# Altium PCB Sistema_electrolitic.PcbDoc
Units mm, origin at the board's own origin, x right, y up, seen from the top; angles counter-clockwise.
Board outline 96.77 x 60.96 mm, 2 copper layers (Top Layer, Bottom Layer); 86 components, 66 nets, 428 pads, 84 vias.
Unrouted connection lines stored in the file: 8.
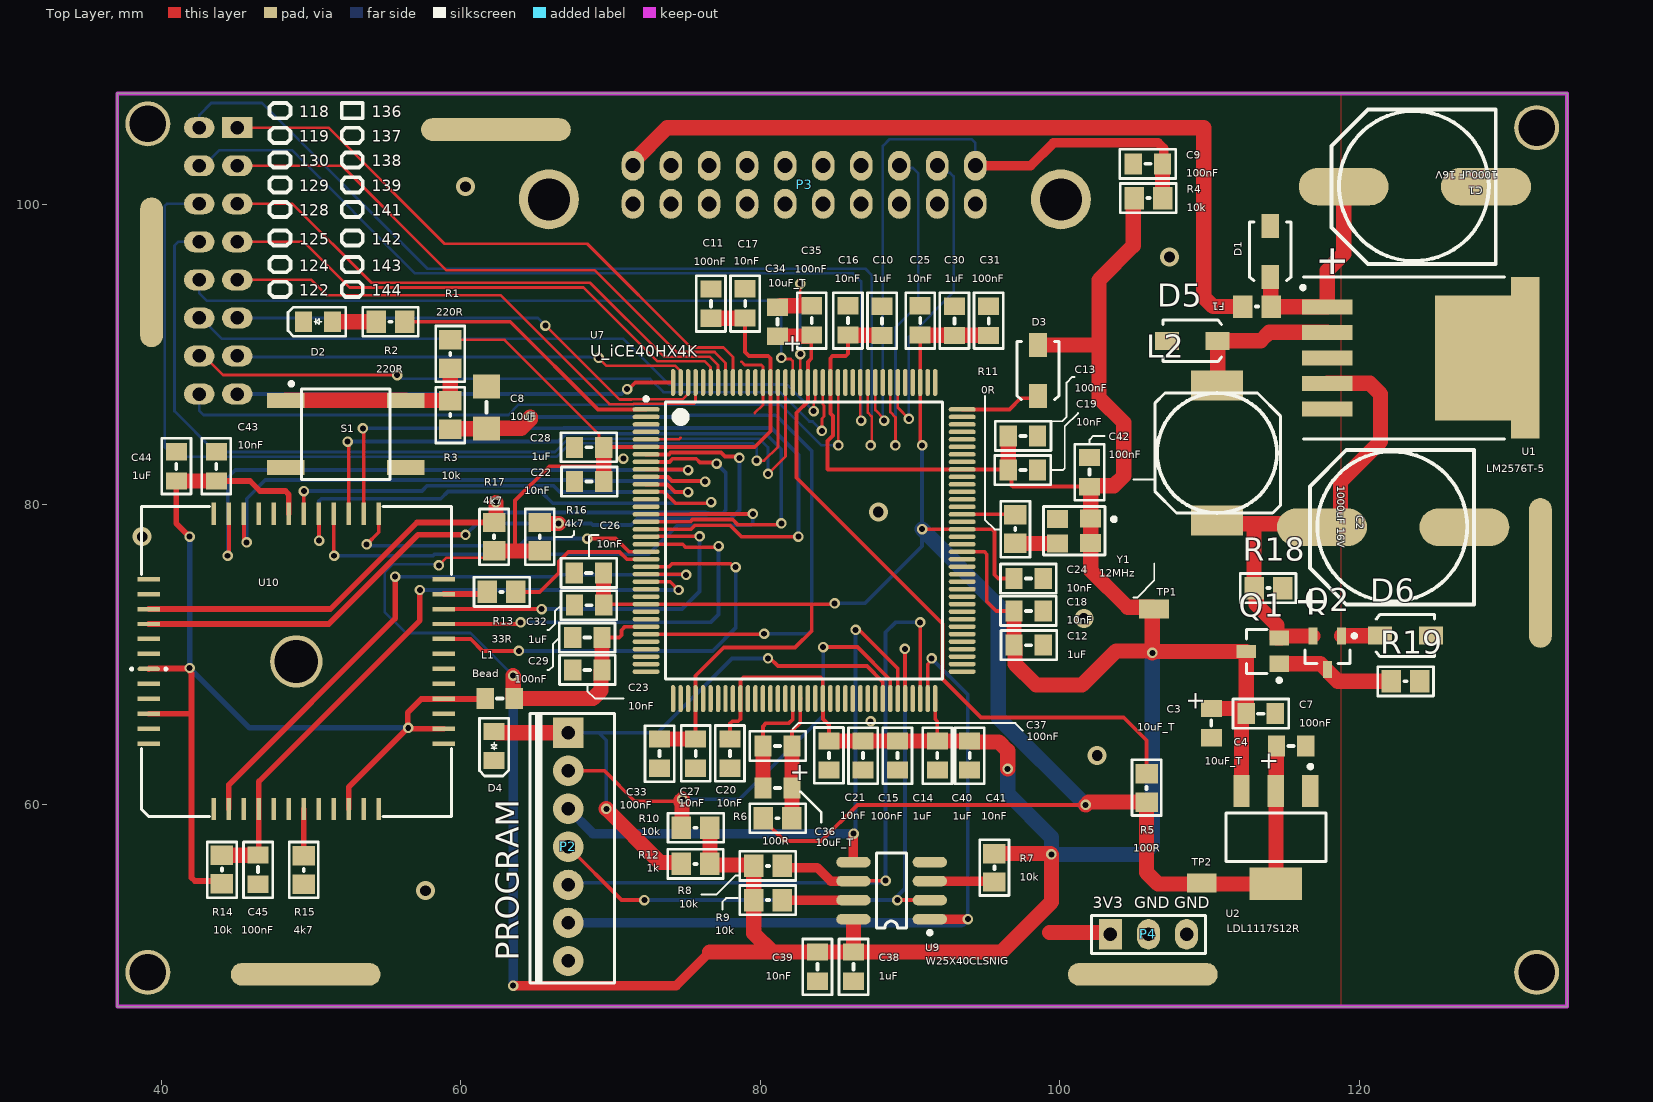
[diagram p0: Top Layer view]
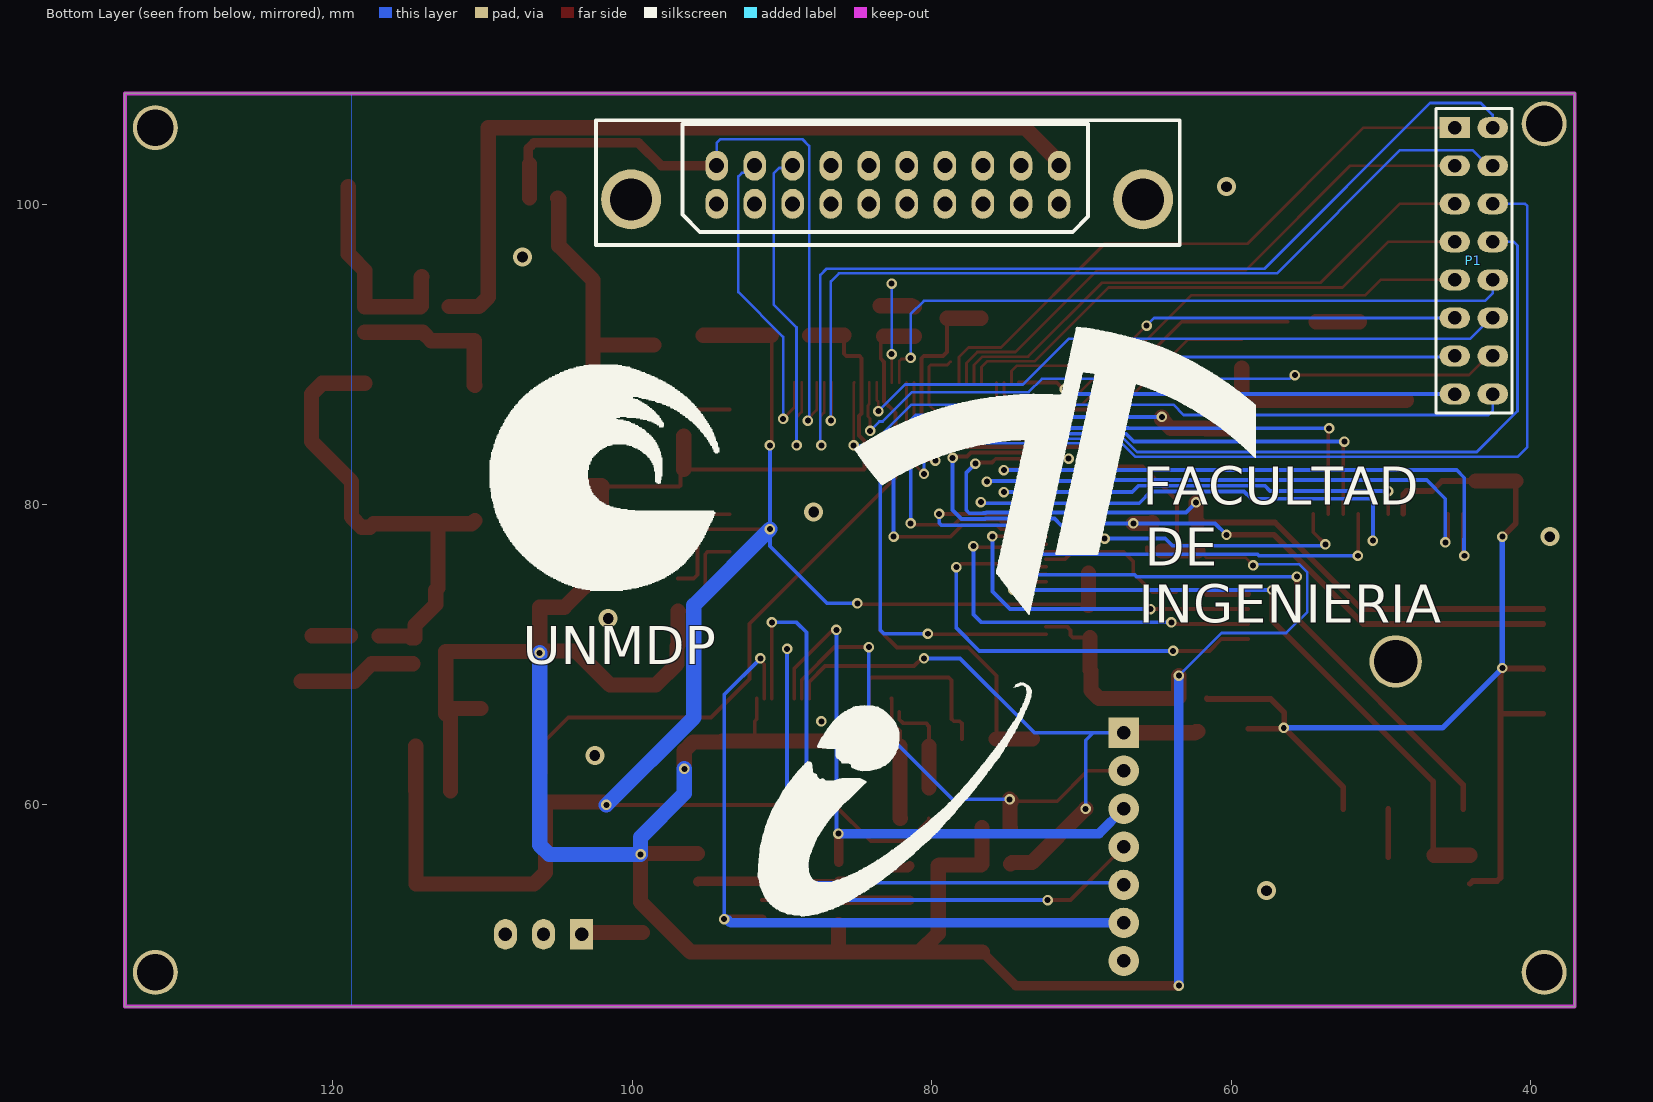
[diagram p1: Bottom Layer view, seen from below]
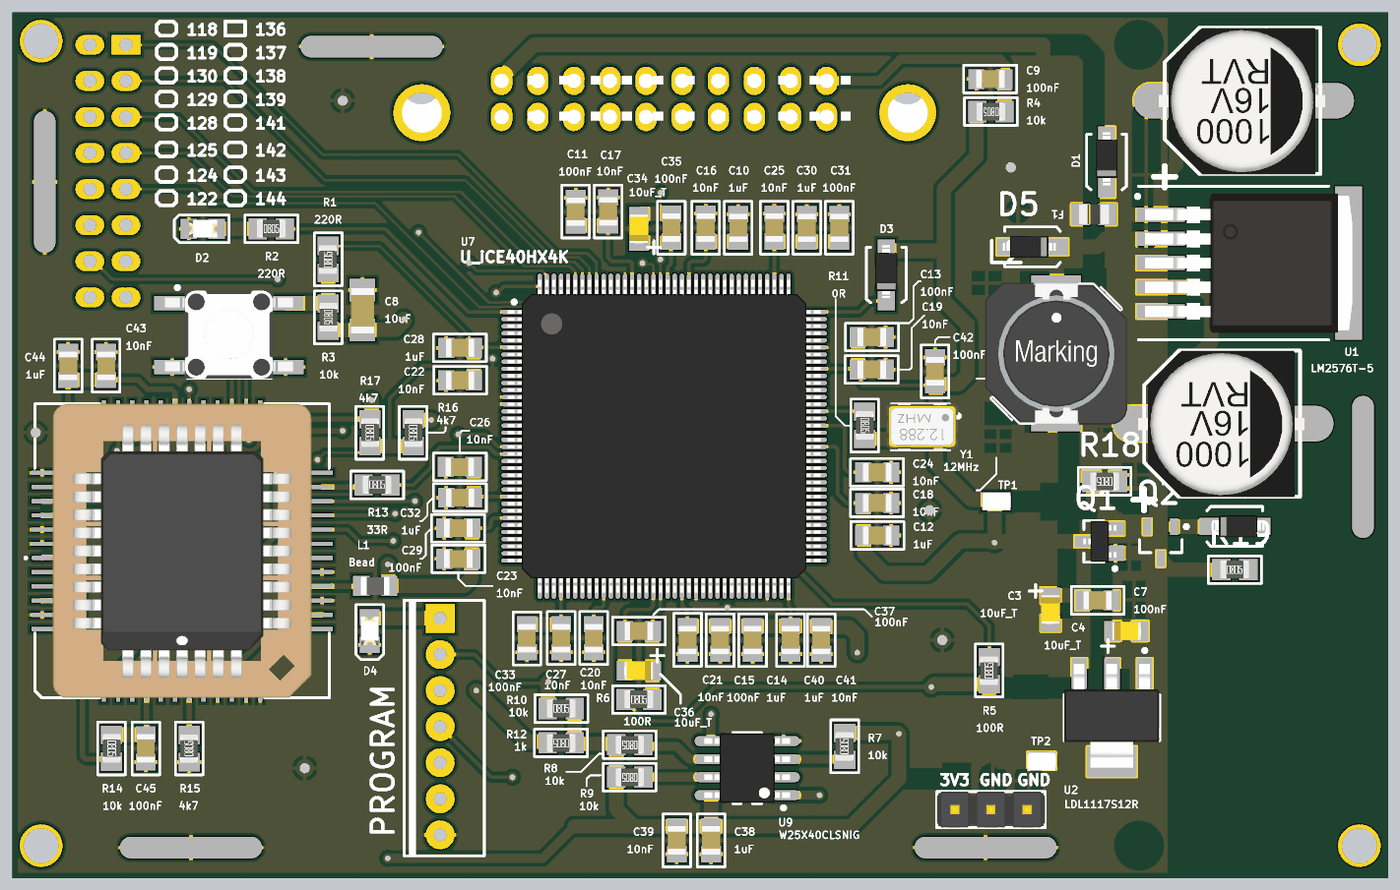
[diagram p2: 3D render of the assembled board from above, using the file's embedded part models]

## Layer stack, top to bottom
Top Solder: solder mask 0.0102, Solder Resist, Dk 3.5
Top Layer: signal copper 0.0356
Dielectric 1: dielectric 0.32, FR-4, Dk 4.8
Bottom Layer: signal copper 0.0356
Bottom Solder: solder mask 0.0102, Solder Resist, Dk 3.5

## Board outline
37.084,46.482 37.084,107.442 133.858,107.442 133.858,46.482

## Design rules (kind name [scope] priority, off if disabled: settings)
Clearance [All] p1: gap=0.254 ignorepadtopadclearanceinfootprint=FALSE except(0: Arc-Hole Track-Hole SMDPad-Hole THPad-Hole Via-Hole Fill-Hole Poly-Hole Region-Hole Text-Hole; 0.127: Arc-Arc Arc-Track Arc-SMDPad Arc-Text Track-Track Track-SMDPad Track-Text SMDPad-SMDPad SMDPad-Text THPad-Text Via-Text Fill-Text Poly-Text Region-Text Text-Text)
PlaneConnect [All] p1: planeconnectstyle=Relief reliefexpansion=0.254 reliefentries=4 reliefconductorwidth=0.178 reliefairgap=0.127
PolygonConnect [All] p1: connectstyle=Relief reliefconductorwidth=0.254 reliefentries=4 polygonreliefangle="90 Angle" airgapwidth=0.254
RoutingVias [All] p1: holewidth=0.4 width=0.7 viastyle="Through Hole" minholewidth=0.2 minwidth=0.6 maxholewidth=5 maxwidth=6
SilkToSolderMaskClearance [IsPad] p1: minsilkscreentomaskgap=0.127 clearancetoexposedcopper=TRUE
SolderMaskExpansion [All] p1: expansion=0.102 istentingtop=FALSE
Width [All] p1: maxlimit=1.016 minlimit=0.178 preferedwidth=0.254 minimp=50.000000 maximp=50.000000 favimp=50.000000
28 further rules are at their usual default settings.

## Classes and differential pairs
component class Sistema: P3
component class "Radiaton Sensor": C43 C44 C45 L1 R13 R14 R15 R16 R17 U10
component class Power: C1 C2 C3 C4 C7 D1 D5 D6 F1 L2 P4 Q1 Q2 R18 R19 TP1 TP2 U1 U2
component class "Periferic Supply": C10 C11 C12 C13 C14 C15 C16 C17 C18 C19 C20 C21 C22 C23 C24 C25 C26 C27 C28 C29 C30 C31 C32 C33 C34 C35 C36 C37 C38 C39 C40 C41 C42 D3 D4 P2 R5 R6 R7 R8 R9 R10 R11 R12 U7 U9 Y1
component class "FPGA Banks": C8 C9 D2 P1 R1 R2 R3 R4 S1

## Components (designator, comment, footprint, x,y, rotation, side; value= is the part's Value field where it differs from the comment)
C1 "1000uF 16V" C_SMD_F12 123.698,101.219 r0 top
C2 "1000uF 16V" C_SMD_F12 122.25,78.486 r0 top
C3 "10uF_T" C_0805_2013_c 110.109,65.405 r270 top
C4 "10uF_T" C_0805_2013_c 115.443,63.881 r0 top
C7 "100nF" C_0805_2013_b 113.411,66.04 r180 top
C8 "10uF" C_1206_3216_A 61.722,86.487 r270 top
C9 "100nF" C_0805_2013_b 105.877,102.743 r0 top
C10 "1uF" C_0805_2013_b 88.138,92.263 r270 top
C11 "100nF" C_0805_2013_b 76.708,93.406 r270 top
C12 "1uF" C_0805_2013_b 97.917,70.612 r180 top
C13 "100nF" C_0805_2013_b 97.536,84.582 r180 top
C14 "1uF" C_0805_2013_b 89.154,63.246 r90 top
C15 "100nF" C_0805_2013_b 86.868,63.246 r90 top
C16 "10nF" C_0805_2013_b 85.852,92.288 r90 top
C17 "10nF" C_0805_2013_b 78.994,93.431 r90 top
C18 "10nF" C_0805_2013_b 97.917,72.898 r0 top
C19 "10nF" C_0805_2013_b 97.536,82.296 r0 top
C20 "10nF" C_0805_2013_b 77.978,63.373 r270 top
C21 "10nF" C_0805_2013_b 84.582,63.246 r270 top
C22 "10nF" C_0805_2013_b 68.58,81.534 r180 top
C23 "10nF" C_0805_2013_b 68.453,68.961 r180 top
C24 "10nF" C_0805_2013_b 97.917,75.057 r0 top
C25 "10nF" C_0805_2013_b 90.678,92.288 r90 top
C26 "10nF" C_0805_2013_b 68.555,75.438 r180 top
C27 "10nF" C_0805_2013_b 75.692,63.373 r270 top
C28 "1uF" C_0805_2013_b 68.58,83.82 r0 top
C29 "100nF" C_0805_2013_b 68.453,71.12 r0 top
C30 "1uF" C_0805_2013_b 92.964,92.263 r270 top
C31 "100nF" C_0805_2013_b 95.25,92.263 r270 top
C32 "1uF" C_0805_2013_b 68.58,73.279 r0 top
C33 "100nF" C_0805_2013_b 73.279,63.373 r90 top
C34 "10uF_T" C_0805_2013_c 81.153,92.202 r90 top
C35 "100nF" C_0805_2013_b 83.439,92.288 r90 top
C36 "10uF_T" C_0805_2013_c 81.153,61.087 r180 top
C37 "100nF" C_0805_2013_b 81.153,63.881 r180 top
C38 "1uF" C_0805_2013_b 86.233,49.149 r90 top
C39 "10nF" C_0805_2013_b 83.82,49.149 r90 top
C40 "1uF" C_0805_2013_b 91.821,63.246 r90 top
C41 "10nF" C_0805_2013_b 93.98,63.246 r90 top
C42 "100nF" C_0805_2013_b 101.981,82.169 r90 top
C43 "10nF" C_0805_2013_b 43.688,82.55 r270 top
C44 "1uF" C_0805_2013_b 41.021,82.55 r270 top
C45 "100nF" C_0805_2013_b 46.482,55.626 r90 top
D1 "MMSZ5231C-HE3_A-08" D_SOD-123 114.046,96.901 r270 top
D2 "GREEN" D_LED_0805_2013 50.48,92.202 r180 top
D3 "SD0805S020S0R5" D_SOD-123 98.552,88.949 r270 top
D4 "GREEN" D_LED_0805_2013 62.23,63.881 r270 top
D5 "SD0805S020S0R5" D_SOD-123 108.839,90.932 r0 top
D6 "5V1" D_SOD-123 123.063,71.247 r180 top
F1 "0" F_0805_2012 113.157,93.218 r0 top
L1 "Bead" L_0805_2013 62.611,67.056 r180 top
L2 "680uHr" L_SMD_10x10 110.49,83.439 r270 top value=0
P1 "Header 8x2" P_HDR2X8_3D 43.815,96.266 r270 bottom
P2 "PROGRAM" P_CON1X7 67.183,55.88 r270 top value="BORNERA 6 ENCH"
P3 "Header 20_H" P_DIN41612-20-H 82.978,101.346 r180 top
P4 "Header 3" P_HDR1X3_3D 105.918,51.308 r0 top
Q1 "SQ2389CES-T1_GE3" Q_SOT-23 113.538,70.231 r180 top
Q2 "BC856ALT1G" Q_SOT-23B_N 117.856,70.104 r270 top
R1 "220R" R_0805_2012_a 59.309,90.043 r90 top
R2 "220R" R_0805_2012_a 55.306,92.202 r0 top
R3 "10k" R_0805_2012_a 59.309,85.979 r270 top
R4 "10k" R_0805_2012_a 105.918,100.457 r180 top
R5 "100R" R_0805_2012_a 105.791,61.087 r90 top
R6 "100R" R_0805_2012_a 81.153,59.055 r0 top
R7 "10k" R_0805_2012_a 95.631,55.753 r90 top
R8 "10k" R_0805_2012_a 80.518,53.594 r180 top
R9 "10k" R_0805_2012_a 80.518,55.88 r180 top
R10 "10k" R_0805_2012_a 75.692,58.42 r0 top
R11 "0R" R_0805_2012_a 97.028,78.359 r270 top
R12 "1k" R_0805_2012_a 75.692,56.007 r180 top
R13 "33R" R_0805_2012_a 62.738,74.168 r0 top
R14 "10k" R_0805_2012_a 44.069,55.626 r270 top
R15 "4k7" R_0805_2012_a 49.53,55.601 r90 top
R16 "4k7" R_0805_2012_a 65.278,77.851 r270 top
R17 "4k7" R_0805_2012_a 62.23,77.851 r270 top
R18 "10k" R_0805_2012_a 113.919,74.422 r180 top
R19 "2k2" R_0805_2012_a 123.063,68.199 r0 top
S1 "Switch" S_SMD_SPST-NO 52.324,84.709 r0 top
TP1 "SMD Test Point" "TP SMD" 106.299,73.025 r0 top
TP2 "SMD Test Point" "TP SMD" 109.474,54.737 r0 top
U1 "LM2576T-5" U_SMD_TO-263-5 128.549,89.764 r270 top
U2 "LDL1117S12R" U_SOT-223 114.427,57.785 r270 top value=LDL1117S25R
U7 "U_iCE40HX4K" U_TQFP-144 82.931,77.597 r0 top
U9 "W25X40CLSNIG" U_SOIC-8_2 88.773,54.229 r180 top
U10 "Value" U_CLCC48_SOCKET 39.18,69.025 r90 top
Y1 "12MHz" Y_SMD-XTAL-12MHZ 101.092,78.232 r270 top

## Footprints (in the part's own frame and the unit in brackets; to place one, negate y for a bottom-side part, rotate by r counter-clockwise, add the part's x,y. Pads: shape width x height; smd on the part's side, far side on the other; paste and mask are expansions set on the pad)
C_0805_2013_b [mm] "Chip Capacitor; Body 2.0 x 1.3 mm (LxW typ)"
  rect 1.15x1.4 smd: 1(-0.975,0) 2(0.975,0)
  silkscreen extent -1.88,-0.97 1.85,0.97, body extent -1,-0.64 1,0.64, height 1.24
C_0805_2013_c [mm] "Chip Capacitor; Body 2.0 x 1.3 mm (LxW typ)"
  rect 1.15x1.4 smd: 1(-0.975,0) 2(0.975,0)
  silkscreen extent -0.18,0 0.18,0, body extent -1.02,-0.65 1.03,0.65, height 1.2
C_1206_3216_A [mm]
  rect 1.6x1.8 smd: 1(-1.4,0) 2(1.4,0)
  silkscreen extent -0.36,0 0.36,0, body extent -1.55,-0.81 1.65,0.81, height 1.61
C_SMD_F12 [mm] "10X11mm SMD"
  oval 6x2.5 smd: 1(-4.75,0) 2(4.75,0)
  silkscreen extent -5.56,-5.15 5.4,5.15, body extent -5.98,-5.18 5.73,5.13, height 10.72
D_LED_0805_2013 [mm] "Chip Capacitor; Body 2.0 x 1.3 mm (LxW typ)"
  rect 1.15x1.4 smd: 1(0.975,0) 2(-0.975,0)
  silkscreen extent -1.85,-0.97 2,0.97, body extent -1.02,-0.62 0.97,0.63, height 1.3
D_SOD-123 [mm] "SOD-123; 2 Leads; Body 2.7 x 1.6 mm, (LxW)"
  rect 1.6x1.2 smd: 1(1.7,0) 2(-1.7,0)
  silkscreen extent -1.95,-1.4 1.95,1.4, body extent -2.09,-0.78 1.63,0.77, height 1.35
F_0805_2012 [mm] "Chip Fuse; Body 2.0 x 1.3 mm (LxW typ)"
  rect 1.3x1.5 smd: 1(-0.95,0) 2(0.95,0)
  silkscreen extent -0.08,0 0.08,0, body extent -1.05,-0.7 1.05,0.7, height 0.56
L_0805_2013 [mm] "Chip Inductor; Body 2.0 x 1.3 mm (LxW typ)"
  rect 1.15x1.4 smd: 1(-0.975,0) 2(0.975,0)
  silkscreen extent -0.18,0 0.18,0, body extent -1,-0.64 1,0.64, height 1.04
L_SMD_10x10 [mm]
  rect 2x3.5 smd: 1(-4.5,0) 2(4.5,0)
  silkscreen extent -4,-4.15 4,4.26, body extent -4.97,-4.97 5.03,5.03, height 4.8
P_CON1X7 [mil]
  rect 80x80 hole 35.43: 1(-350,0)
  round 80 hole 35.43: 2(-250,0) 3(-150,0) 4(-50,0) 5(50,0) 6(150,0) 7(250,0)
  silkscreen extent -400,-100 308,122
P_DIN41612-20-H [mm] "20 Position Din Connector Plug, Female Pins Gold Through Hole"
  oval 1.5x2 hole 1: A1(11.477,-1.27) A2(8.937,-1.27) A3(6.397,-1.27) A4(3.857,-1.27) A5(1.317,-1.27) A6(-1.223,-1.27) A7(-3.763,-1.27) A8(-6.303,-1.27) A9(-8.843,-1.27) A10(-11.383,-1.27) B1(11.477,1.27) B2(8.937,1.27) B3(6.397,1.27) B4(3.857,1.27) B5(1.317,1.27) B6(-1.223,1.27) B7(-3.763,1.27) B8(-6.303,1.27) B9(-8.843,1.27) B10(-11.383,1.27)
  round 4 hole 2.8: SOP(-17.087,0.97) SOP(17.088,0.97)
  body extent -19.41,-4.11 19.49,3.99, height 3.5
P_HDR1X3_3D [mil]
  rect 60x80 hole 35.43: 1(-100,0)
  oval 60x80 hole 35.43: 2(0,0) 3(100,0)
  silkscreen extent -150,-50 150,50, body extent -150,-50 150,50, height 374
P_HDR2X8_3D [mil] "Connector; Header; 8x2 Position"
  rect 55x80 hole 35.43: 1(-350,-50)
  oval 55x80 hole 35.43: 2(-350,50) 3(-250,-50) 4(-250,50) 5(-150,-50) 6(-150,50) 7(-50,-50) 8(-50,50) 9(50,-50) 10(50,50) 11(150,-50) 12(150,50) 13(250,-50) 14(250,50) 15(350,-50) 16(350,50)
  silkscreen extent -400,-100 400,100
Q_SOT-23 [mm]
  rect 1.3x1.1 smd: 1(-1.1,0.863)
  rect 1.3x1 smd: 2(-1.1,-0.863)
  rect 1.3x0.85 smd: 3(1.1,0.038)
  silkscreen extent -1.22,-1.44 1.09,2.09, body extent -1.19,-1.41 1.13,1.49, height 1.5
Q_SOT-23B_N [mm] "SOT23, 3-Leads, Body 2.9x1.3mm, Pitch 0.95mm, Lead Span 2.4mm, IPC Medium Density"
  rect 1.15x0.6 smd: 1(-1.125,0.95) 2(-1.125,-0.95) 3(1.125,0)
  silkscreen extent -1.25,-1.5 0.7,1.93, body extent -0.7,-1.5 0.7,1.5, height 1.14
R_0805_2012_a [mm] "Chip Resistor; Body 2.0 x 1.3 mm (LxW typ)"
  rect 1.3x1.5 smd: 1(-0.95,0) 2(0.95,0)
  silkscreen extent -1.85,-0.97 1.88,0.97, body extent -1,-0.61 1,0.64, height 0.6
S_SMD_SPST-NO [mm] "Pulsador SMD"
  rect 2.5x1 smd: 1(-4,2.25) 1(4,2.25) 2(-4,-2.25) 2(4,-2.25)
  silkscreen extent -3.75,-3.02 2.98,3.47, body extent -4.5,-3.05 4.5,3.15, height 4.3
"TP SMD" [mm] "Test Point SMD"
  rect 2x1.25 smd: 1(0,0)
  body extent -0.99,-0.67 1.01,0.58, height 0.84
U_CLCC48_SOCKET [mm]
  oval 0.3x1.5 smd: 1(0,0)
  rect 0.3x1.5 smd: 2(-1,0) 3(-2,0) 4(-3,0) 5(-4,0) 6(-5,0) 19(-5,-19.7) 20(-4,-19.7) 21(-3,-19.7) 22(-2,-19.7) 23(-1,-19.7) 24(0,-19.7) 25(1,-19.7) 26(2,-19.7) 27(3,-19.7) 28(4,-19.7) 29(5,-19.7) 30(6,-19.7) 43(6,0) 44(5,0) 45(4,0) 46(3,0) 47(2,0) 48(1,0)
  rect 1.5x0.3 smd: 7(-9.35,-4.35) 8(-9.35,-5.35) 9(-9.35,-6.35) 10(-9.35,-7.35) 11(-9.35,-8.35) 12(-9.35,-9.35) 13(-9.35,-10.35) 14(-9.35,-11.35) 15(-9.35,-12.35) 16(-9.35,-13.35) 17(-9.35,-14.35) 18(-9.35,-15.35) 31(10.35,-15.35) 32(10.35,-14.35) 33(10.35,-13.35) 34(10.35,-12.35) 35(10.35,-11.35) 36(10.35,-10.35) 37(10.35,-9.35) 38(10.35,-8.35) 39(10.35,-7.35) 40(10.35,-6.35) 41(10.35,-5.35) 42(10.35,-4.35)
  round 3.5 hole 2.9: 14(0.498,-9.854)
  silkscreen extent -9.85,-20.2 10.85,1.18, body extent -9.85,-18.95 10.85,-0.75, height 5
U_SMD_TO-263-5 [mm]
  rect 1x3.4 smd: 1(-3.433,-10.697) 2(-1.731,-10.697) 3(-0.029,-10.697) 4(1.673,-10.697) 5(3.374,-10.697)
  rect 10.795x1.905 smd: 6(-0.025,2.515)
  rect 8.331x6.985 smd: 6(-0.025,-0.025)
  silkscreen extent -5.44,-12.44 5.38,1.12, body extent -4.94,-11.81 4.89,2.79, height 4.22
U_SOIC-8_2 [mm] "SOIC, 8-Leads, Body 4.9x3.9mm, Pitch 1.27mm, IPC Low Density"
  oval 2.3x0.7 smd: 1(-2.55,1.905) 2(-2.55,0.635) 3(-2.55,-0.635) 4(-2.55,-1.905) 5(2.55,-1.905) 6(2.55,-0.635) 7(2.55,0.635) 8(2.55,1.905)
  silkscreen extent -2.68,-2.5 1,2.93, body extent -3.01,-2.45 3.01,2.45, height 1.5
U_SOT-223 [mm]
  rect 2.15x1.1 smd: 1(-3.1,2.3) 2(-3.1,0) 3(-3.1,-2.3)
  rect 2.15x3.5 smd: 4(3.1,0)
  silkscreen extent -4.85,-3.35 1.63,3.35, body extent -3.78,-3.37 3.52,3.33, height 1.8
U_TQFP-144 [mm]
  oval 1.8x0.3 smd: 1(-10.55,8.75) 2(-10.55,8.25) 3(-10.55,7.75) 4(-10.55,7.25) 5(-10.55,6.75) 6(-10.55,6.25) 7(-10.55,5.75) 8(-10.55,5.25) 9(-10.55,4.75) 10(-10.55,4.25) 11(-10.55,3.75) 12(-10.55,3.25) 13(-10.55,2.75) 14(-10.55,2.25) 15(-10.55,1.75) 16(-10.55,1.25) 17(-10.55,0.75) 18(-10.55,0.25) 19(-10.55,-0.25) 20(-10.55,-0.75) 21(-10.55,-1.25) 22(-10.55,-1.75) 23(-10.55,-2.25) 24(-10.55,-2.75) 25(-10.55,-3.25) 26(-10.55,-3.75) 27(-10.55,-4.25) 28(-10.55,-4.75) 29(-10.55,-5.25) 30(-10.55,-5.75) 31(-10.55,-6.25) 32(-10.55,-6.75) 33(-10.55,-7.25) 34(-10.55,-7.75) 35(-10.55,-8.25) 36(-10.55,-8.75) 73(10.55,-8.75) 74(10.55,-8.25) 75(10.55,-7.75) 76(10.55,-7.25) 77(10.55,-6.75) 78(10.55,-6.25) 79(10.55,-5.75) 80(10.55,-5.25) 81(10.55,-4.75) 82(10.55,-4.25) 83(10.55,-3.75) 84(10.55,-3.25) 85(10.55,-2.75) 86(10.55,-2.25) 87(10.55,-1.75) 88(10.55,-1.25) 89(10.55,-0.75) 90(10.55,-0.25) 91(10.55,0.25) 92(10.55,0.75) 93(10.55,1.25) 94(10.55,1.75) 95(10.55,2.25) 96(10.55,2.75) 97(10.55,3.25) 98(10.55,3.75) 99(10.55,4.25) 100(10.55,4.75) 101(10.55,5.25) 102(10.55,5.75) 103(10.55,6.25) 104(10.55,6.75) 105(10.55,7.25) 106(10.55,7.75) 107(10.55,8.25) 108(10.55,8.75)
  oval 0.3x1.8 smd: 37(-8.75,-10.55) 38(-8.25,-10.55) 39(-7.75,-10.55) 40(-7.25,-10.55) 41(-6.75,-10.55) 42(-6.25,-10.55) 43(-5.75,-10.55) 44(-5.25,-10.55) 45(-4.75,-10.55) 46(-4.25,-10.55) 47(-3.75,-10.55) 48(-3.25,-10.55) 49(-2.75,-10.55) 50(-2.25,-10.55) 51(-1.75,-10.55) 52(-1.25,-10.55) 53(-0.75,-10.55) 54(-0.25,-10.55) 55(0.25,-10.55) 56(0.75,-10.55) 57(1.25,-10.55) 58(1.75,-10.55) 59(2.25,-10.55) 60(2.75,-10.55) 61(3.25,-10.55) 62(3.75,-10.55) 63(4.25,-10.55) 64(4.75,-10.55) 65(5.25,-10.55) 66(5.75,-10.55) 67(6.25,-10.55) 68(6.75,-10.55) 69(7.25,-10.55) 70(7.75,-10.55) 71(8.25,-10.55) 72(8.75,-10.55) 109(8.75,10.55) 110(8.25,10.55) 111(7.75,10.55) 112(7.25,10.55) 113(6.75,10.55) 114(6.25,10.55) 115(5.75,10.55) 116(5.25,10.55) 117(4.75,10.55) 118(4.25,10.55) 119(3.75,10.55) 120(3.25,10.55) 121(2.75,10.55) 122(2.25,10.55) 123(1.75,10.55) 124(1.25,10.55) 125(0.75,10.55) 126(0.25,10.55) 127(-0.25,10.55) 128(-0.75,10.55) 129(-1.25,10.55) 130(-1.75,10.55) 131(-2.25,10.55) 132(-2.75,10.55) 133(-3.25,10.55) 134(-3.75,10.55) 135(-4.25,10.55) 136(-4.75,10.55) 137(-5.25,10.55) 138(-5.75,10.55) 139(-6.25,10.55) 140(-6.75,10.55) 141(-7.25,10.55) 142(-7.75,10.55) 143(-8.25,10.55) 144(-8.75,10.55)
  silkscreen extent -10.67,-9.25 9.25,9.57, body extent -11.01,-11.01 11.01,11.01, height 1.63
Y_SMD-XTAL-12MHZ [mm]
  rect 1.2x1.4 smd: 1(-0.826,0.965) 2(-0.787,-1.245) 3(0.826,-1.245) 4(0.787,0.965)
  silkscreen extent -1.63,-2.18 1.62,2.64, body extent -1.65,-2.51 1.55,2.49, height 1.2

## Part data
C1 C2: library part C_1000uF_16V_p, "Capacitor SMD Elec F12", Manufacturer=KEMET, Manufacturer Part Number=A768MS108M1CLAE015, Supplier Part Number 1=80-A768MS108M1CLAE15, Category="Polymer Capacitors", Pricing 1="1=0,91, 10=0,572, 50=0,572, 100=0,466, 1000=0,307, 10000=0,275 (USD)", RoHS=Yes, Stock 1=5839, Supplier 1=Mouser
C3 C4 C34 C36: library part C_10uF_10V_b, "Capacitor SMD 0805 Tant", Manufacturer=Vishay, Manufacturer Part Number=TMCP1A106MTRF, Supplier Part Number 1=74-TMCP1A106MTRF, Category="Tantalum Capacitors", Pricing 1="1=0,3, 10=0,152, 50=0,152, 100=0,098, 1000=0,082, 10000=0,067 (USD)", RoHS=Yes, RoHS Compliant=Yes, Stock 1=7293, Supplier 1=Mouser
C7 C9 C11 C13 C15 C29 C31 C33 C35 C37 C42 C45: library part C_100nF_50V_b, "Capacitor SMD 0805", Case Code (Imperial)=0805, Case Code (Metric)=2012, Dielectric=X7R, Insulation Resistance=100GR, Manufacturer=Yageo, Manufacturer Part Number=CC0805KRX7R9BB104, Max Operating Temperature=125°C, Min Operating Temperature=-55°C, Package Quantity=4000, Supplier Part Number 1=311-1140-1-ND, Tolerance=10%, Voltage=50V, Case/Package=0805, Category="Ceramic Capacitors", ComponentLink1Description=https://datasheet.ciiva.com/11786/0900766b80d84f1d-11786009.pdf?src-supplier=Rs, ComponentLink1URL=https://datasheet.ciiva.com/11786/0900766b80d84f1d-11786009.pdf?src-supplier=Rs, ComponentLink2Description=https://datasheet.ciiva.com/46393/1734573-46393307.pdf?src-supplier=Element14, ComponentLink2URL=https://datasheet.ciiva.com/46393/1734573-46393307.pdf?src-supplier=Element14, ComponentLink3Description=https://datasheet.ciiva.com/155/mlccorderingcode-155930.pdf?src-supplier=Digikey, ComponentLink3URL=https://datasheet.ciiva.com/155/mlccorderingcode-155930.pdf?src-supplier=Digikey, ComponentLink4Description=https://datasheet.ciiva.com/155/mlccorderingcode-155929.pdf?src-supplier=Digikey, ComponentLink4URL=https://datasheet.ciiva.com/155/mlccorderingcode-155929.pdf?src-supplier=Digikey, ComponentLink5Description=https://datasheet.ciiva.com/155/mlccorderingcode-155931.pdf?src-supplier=Digikey, ComponentLink5URL=https://datasheet.ciiva.com/155/mlccorderingcode-155931.pdf?src-supplier=Digikey, ComponentLink6Description=https://datasheet.ciiva.com/11464/upy-gphc-x7r-6-3v-to-50v-8-11464757.pdf?src-supplier=Avnet, ComponentLink6URL=https://datasheet.ciiva.com/11464/upy-gphc-x7r-6-3v-to-50v-8-11464757.pdf?src-supplier=Avnet, ComponentLink7Description=https://datasheet.ciiva.com/28450/1489800-28450805.pdf?src-supplier=Element14, ComponentLink7URL=https://datasheet.ciiva.com/28450/1489800-28450805.pdf?src-supplier=Element14, ComponentLink8Description=https://datasheet.ciiva.com/29242/445210-da-01-en-kerko-chip-0805-x7r-0-1uf-10proz-50vg-29242074.pdf?src-supplier=Conrad, ComponentLink8URL=https://datasheet.ciiva.com/29242/445210-da-01-en-kerko-chip-0805-x7r-0-1uf-10proz-50vg-29242074.pdf?src-supplier=Conrad, Depth=1.25mm, Halogen Free=5694HalogenFree, Height=0.85mm, Lead Free=5697LeadFree, Length=2mm, Material=Ceramic, Mounting Technology="Surface Mount", Packaging="Tape and Reel", Pins=2, Pricing 1="1=0,1, 10=0,07, 50=0,0418, 100=0,0329, 500=0,02428, 1000=0,0201 (USD)", Radiation Hardening=No, Reach SVHC Compliant=No, RoHS=Yes, RoHS Compliant=Yes, Series=CC, Stock 1=5306374, Supplier 1=Digikey, Termination=SMD/SMT, Voltage Rating=50V
C8: library part C_10uF_25V_c, "Capacitor SMD 1206", Case Code (Imperial)=1206, Case Code (Metric)=3216, Dielectric=X7R, Manufacturer=Samsung, Manufacturer Part Number=CL31B106KAHNFNE, Max Operating Temperature=125°C, Min Operating Temperature=-55°C, Supplier Part Number 1=1276-3100-1-ND, Tolerance=10%, Voltage Rating=25V, Case/Package=1206, Category="Ceramic Capacitors", ComponentLink1Description=https://datasheet.ciiva.com/25795/cl31b106kahnfne-25795136.pdf?src-supplier=Digikey, ComponentLink1URL=https://datasheet.ciiva.com/25795/cl31b106kahnfne-25795136.pdf?src-supplier=Digikey, Construction=Flat, Depth=1.6mm, Height=1.6mm, Lead Free="Lead Free", Length=3.2mm, Mounting Technology="Surface Mount", Packaging="Tape and Reel", Pricing 1="1=0,23, 10=0,149, 50=0,094, 100=0,0752, 500=0,0543, 1000=0,04804 (USD)", Radiation Hardening=No, RoHS=Yes, RoHS Compliant=Yes, Series=CL, Stock 1=466532, Supplier 1=Digikey
C10 C12 C14 C28 C30 C32 C38 C40 C44: library part C_1uF_50V_b, "Capacitor SMD 0805", JLCPCB Part #=C17287262, Manufacturer="Cal-Chip Electronics", Manufacturer Part Number=GMC21X7R105K50NT, Supplier Part Number 1=4713-GMC21X7R105K50NTCT-ND, Category="Ceramic Capacitors", Pricing 1="1=0,16, 10=0,106, 50=0,0632, 100=0,0497, 500=0,03672, 1000=0,0304 (USD)", RoHS=Yes, Stock 1=1410, Supplier 1=Digikey
C16 C17 C18 C19 C20 C21 C22 C23 C24 C25 C26 C27 C39 C41 C43: library part C_10nF_50V_b, "Capacitor SMD 0805", Case Code (Imperial)=0805, Case Code (Metric)=2012, Dielectric=X7R, Dielectric Material=Ceramic, Manufacturer=KEMET, Manufacturer Part Number=C0805C103J5RAC7210, Max Operating Temperature=125°C, Min Operating Temperature=-55°C, Package Quantity=10000, Supplier Part Number 1=80-C0805C103J5R7210, Tolerance=5%, Voltage Rating=50V, Case/Package=0805, Category="Ceramic Capacitors", ComponentLink1Description=http://www.mouser.com/ds/2/212/KEM_C1002_X7R_SMD-1102033.pdf?src-supplier=Mouser, ComponentLink1URL=http://www.mouser.com/ds/2/212/KEM_C1002_X7R_SMD-1102033.pdf?src-supplier=Mouser, ComponentLink2Description=http://components.arrow.com/part/dataview/3450688S9650973N7429?src-supplier=Arrow+Electronics, ComponentLink2URL=http://components.arrow.com/part/dataview/3450688S9650973N7429?src-supplier=Arrow+Electronics, ComponentLink3Description=https://datasheet.octopart.com/C0805C103J5RAC7210-KEMET-datasheet-68331906.pdf?src-supplier=Farnell, ComponentLink3URL=https://datasheet.octopart.com/C0805C103J5RAC7210-KEMET-datasheet-68331906.pdf?src-supplier=Farnell, ComponentLink4Description=https://api.kemet.com/component-edge/download/datasheet/C0805C103J5RAC7210.pdf?src-supplier=Digikey, ComponentLink4URL=https://api.kemet.com/component-edge/download/datasheet/C0805C103J5RAC7210.pdf?src-supplier=Digikey, ComponentLink5Description=https://datasheet.octopart.com/C0805C103J5RAC7210-KEMET-datasheet-37550250.pdf?src-supplier=Electro+Sonic, ComponentLink5URL=https://datasheet.octopart.com/C0805C103J5RAC7210-KEMET-datasheet-37550250.pdf?src-supplier=Electro+Sonic, ComponentLink6Description=https://datasheet.octopart.com/C0805C103J5RAC7210-KEMET-datasheet-166547538.pdf?src-supplier=TME, ComponentLink6URL=https://datasheet.octopart.com/C0805C103J5RAC7210-KEMET-datasheet-166547538.pdf?src-supplier=TME, Depth=1.25mm, Lead Pitch=0.75mm, Length=2mm, Packaging="Tape and Reel", Pricing 1="1=0,1, 10=0,034, 50=0,034, 100=0,02, 1000=0,014, 10000=0,009 (USD)", RoHS=Yes, RoHS Compliant=Yes, Series="SMD Comm X7R", Stock 1=30128, Supplier 1=Mouser, Termination=SMD/SMT, Voltage Rating (DC)=50V
D1: library part D_MMSZ5231C-HE3_A-08, "Diode SMD SOD-123 Zener 5V1", Manufacturer="Vishay Semiconductors", Manufacturer Part Number=MMSZ5226C-E3-08, Max Operating Temperature=150°C, Max Power Dissipation=500mW, Max Reverse Leakage Current=25uA, Min Operating Temperature=-55°C, Package Quantity=3000, Supplier Part Number 1=78-MMSZ5231CHE3_A-08, Tolerance=2%, Zener Current=20mA, Zener Voltage=3.3V, Category="Zener Diodes", ComponentLink1Description=Datasheet, ComponentLink1URL=https://www.vishay.com/docs/86344/mmsz5225_to_mmsz5267.pdf, Impedance=28R, Mounting Technology="Surface Mount", Packaging="Tape and Reel", Power Dissipation=500mW, Pricing 1="1=0,29, 10=0,198, 50=0,198, 100=0,089, 1000=0,062, 10000=0,041 (USD)", RoHS=Yes, RoHS Compliant=Yes, Series="Automotive, AEC-Q101", Stock 1=14347, Supplier 1=Mouser, Voltage Tolerance=2%, Weight=0.000363oz
D2 D4: library part D_LED_SMD_0805, "(Modificar) Diode SMD 0805"
D3 D5: library part D_SD0805S020S0R5, "Diode SMD D_SD0805S020S0R5", Average Rectified Current=5A, Case/Package=SMC, Forward Voltage=700mV, Manufacturer=Diodes, Manufacturer Part Number=B550C-13-F, Max Forward Surge Current (Ifsm)=100A, Max Operating Temperature=125°C, Max Repetitive Reverse Voltage (Vrrm)=50V, Max Reverse Current=500uA, Min Operating Temperature=-55°C, Package Quantity=3000, Supplier Part Number 1=478-7799-1-ND, Category="Rectifier Diodes", Contact Plating=Tin,Matte, Current Rating=5A, Forward Current=5A, Height=2.5mm, Lead Free="Lead Free", Length=7.11mm, Max Reverse Voltage (DC)=50V, Mounting Technology="Surface Mount", Output Current=5A, Packaging="Tape and Reel", Peak Non-Repetitive Surge Current=100A, Pins=2, Polarity=Standard, Pricing 1="1=0,56, 10=0,476, 100=0,3309, 500=0,25834, 1000=0,20998 (USD)", Radiation Hardening=No, Reach SVHC Compliant=No, RoHS=Yes, RoHS Compliant=Yes, Series=-, Stock 1=65197, Supplier 1=Digikey, Termination=SMD/SMT, Voltage Rating (DC)=50V, Weight=0.007408oz, Width=6.22mm
D6: library part D_DDZ5V1B-7, "Zener Diode", Case/Package=SOD-123-2, Forward Voltage=900mV, Manufacturer=Diodes, Manufacturer Part Number=DDZ5V1B-7, Max Operating Temperature=150°C, Max Power Dissipation=500mW, Max Reverse Current=5uA, Min Operating Temperature=-65°C, Output Current=40mA, Package Quantity=3000, Supplier Part Number 1=DDZ5V1BDICT-ND, Test Current=20mA, Tolerance=3%, Voltage Rating (DC)=5.1V, Category="Zener Diodes", ComponentLink1Description=http://components.arrow.com/part/dataview/41508659S7354897N2868?src-supplier=Arrow+Electronics, ComponentLink1URL=http://components.arrow.com/part/dataview/41508659S7354897N2868?src-supplier=Arrow+Electronics, ComponentLink2Description=http://www.mouser.com/ds/2/115/ds30407-71565.pdf?src-supplier=Mouser, ComponentLink2URL=http://www.mouser.com/ds/2/115/ds30407-71565.pdf?src-supplier=Mouser, ComponentLink3Description=http://www.diodes.com///datasheets/ds30407.pdf?src-supplier=Avnet, ComponentLink3URL=http://www.diodes.com///datasheets/ds30407.pdf?src-supplier=Avnet, ComponentLink4Description=http://www.diodes.com//datasheets/ds30407.pdf?src-supplier=Avnet, ComponentLink4URL=http://www.diodes.com//datasheets/ds30407.pdf?src-supplier=Avnet, ComponentLink5Description=https://datasheet.octopart.com/DDZ5V1B-7-Diodes-Inc.-datasheet-160462869.pdf?src-supplier=Farnell, ComponentLink5URL=https://datasheet.octopart.com/DDZ5V1B-7-Diodes-Inc.-datasheet-160462869.pdf?src-supplier=Farnell, ComponentLink6Description=http://www.diodes.com/_files/datasheets/ds30407.pdf?src-supplier=Future+Electronics, ComponentLink6URL=http://www.diodes.com/_files/datasheets/ds30407.pdf?src-supplier=Future+Electronics, ComponentLink7Description=https://www.diodes.com/assets/Datasheets/Ds30407.pdf?src-supplier=Digikey, ComponentLink7URL=https://www.diodes.com/assets/Datasheets/Ds30407.pdf?src-supplier=Digikey, ComponentLink8Description=https://datasheet.octopart.com/DDZ5V1B-7-Diodes-Inc.-datasheet-22952792.pdf?src-supplier=Future+Electronics, ComponentLink8URL=https://datasheet.octopart.com/DDZ5V1B-7-Diodes-Inc.-datasheet-22952792.pdf?src-supplier=Future+Electronics, ComponentLink9Description=https://www.verical.com/server-webapp/html/getDatasheet?partID=95733&src-supplier=Verical, ComponentLink9URL=https://www.verical.com/server-webapp/html/getDatasheet?partID=95733&src-supplier=Verical, Height=1.35mm, Impedance=17R, Lead Free="Lead Free", Length=3.85mm, Max Reverse Leakage Current=5uA, Mounting Technology="Surface Mount", Packaging="Tape and Reel", Pins=2, Power Dissipation=500mW, Power Rating=500mW, Pricing 1="1=0,25, 10=0,172, 100=0,084, 500=0,07006, 1000=0,04868 (USD)", Pricing 2="1=0,24, 10=0,161, 50=0,161, 100=0,084, 1000=0,048, 10000=0,028 (USD)", Radiation Hardening=No, RoHS=Yes, RoHS Compliant=Yes, Series=-, Stock 1=88257, Stock 2=108934, Supplier 1=Digikey, Supplier 2=Mouser, Supplier Part Number 2=621-DDZ5V1B-7, Termination=SMD/SMT, Voltage Tolerance=3%, Weight=0.000353oz, Width=1.7mm, Working Voltage=5.1V, Zener Current=5uA, Zener Voltage=5.1V
F1: library part F_?_0805, "(Generico) Fuse SMD 0805", Supplier Part Number 1=SF-1206S200-2CT-ND, LatestRevisionDate=17-Jul-2002, LatestRevisionNote="Re-released for DXP Platform.", Origin=TAIWAN, PackageDescription="Thru-Hole; 2 Leads", PackageReference=PIN-W2/E2.8, Published=8-Jun-2000, Publisher="Altium Limited", Supplier 1=Digi-Key